# Allegro board 1281021_HW-FMC-XM500_Rev1_0.brd (continued)
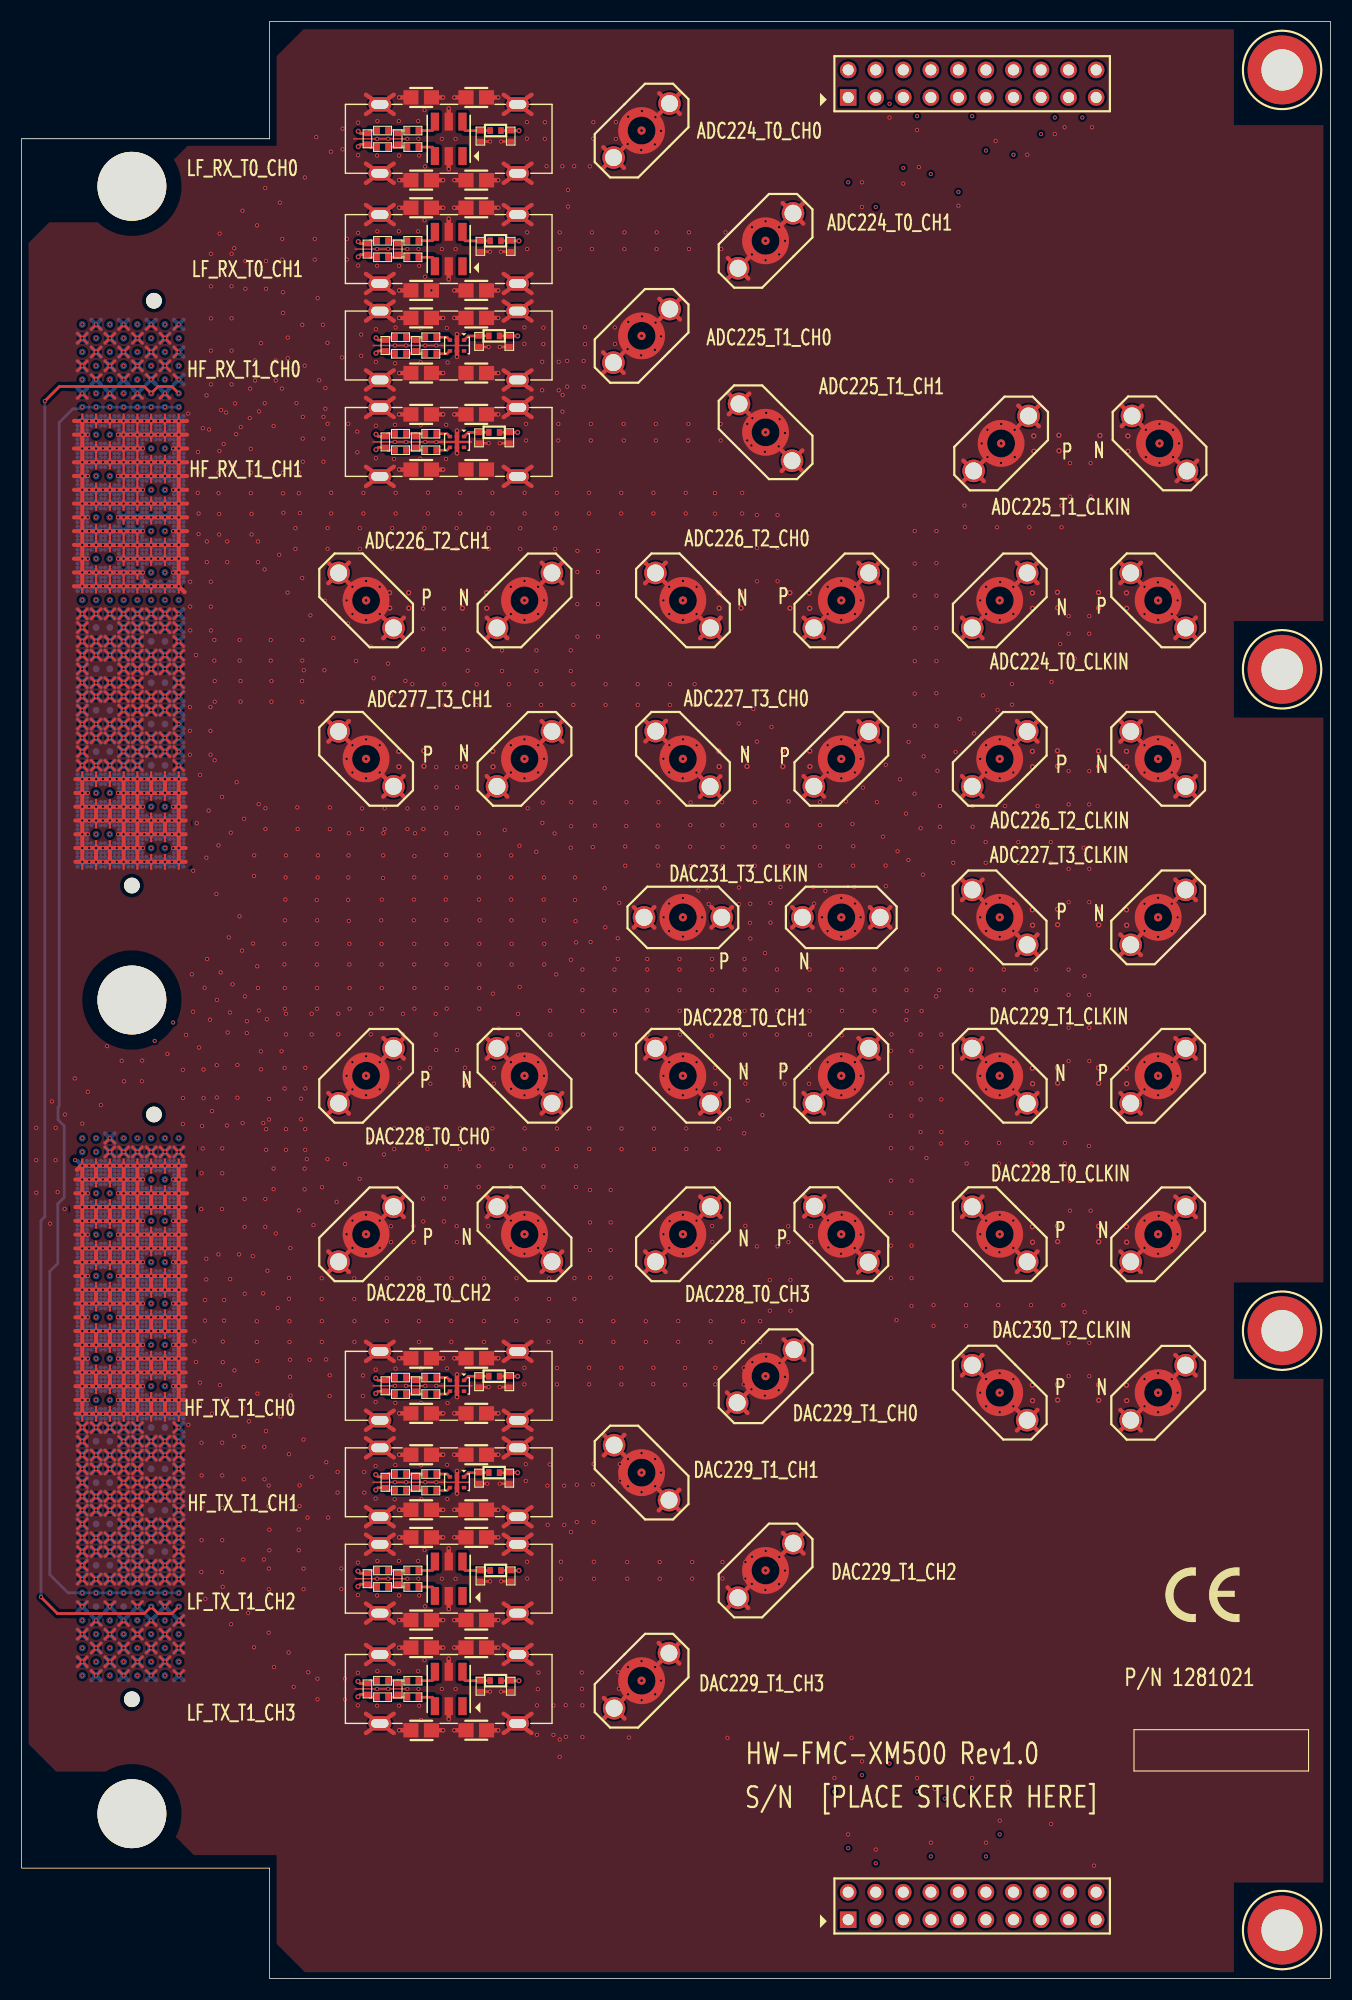
[diagram p0: board, top side]
## Routing (per net, layer and track width the routed paths; a pad name or vN(x,y) marks a point on that pad's centre or on a via; arc(x,y) is an arc through that point) (continued)
  BOTTOM w0.381: v2(13.21,52.04) 13.65,51.6 ; v2(13.21,52.04) 13.65,52.47 ; v2(13.21,52.04) 12.77,52.47 ; v2(13.21,52.04) 12.77,51.6 ; v2(13.21,29.18) 13.65,29.61 ; v2(13.21,29.18) 13.65,28.74 ; v2(13.21,29.18) 12.77,29.61 ; v2(13.21,29.18) 12.77,28.74 ; 31.74,24.39 RFCAGE1.1 ; RFCAGE1.1 34.3,22.6 ; RFCAGE1.1 31.74,22.6 ; RFCAGE1.1 34.3,24.39 ; 6.42,115.17 v2(6.86,115.6) ; v2(6.86,115.6) 7.3,115.17 ; v2(6.86,115.6) 6.42,116.04 ; v2(6.86,115.6) 7.3,116.04 ; J898.3 93.65,52.39 ; J898.3 93.65,50.49 ; J898.3 91.75,52.39 ; J898.3 91.75,50.49 ; v2(5.59,139.73) 6.03,139.3 ; v2(5.59,139.73) 6.03,140.17 ; v2(5.59,139.73) 5.15,139.3 ; v2(5.59,139.73) 5.15,140.17 ; v2(8.13,63.47) 8.57,63.03 ; v2(8.13,63.47) 7.69,63.9 ; v2(8.13,63.47) 8.57,63.9 ; v2(8.13,63.47) 7.69,63.03 ; v2(9.4,54.58) 9.84,54.14 ; v2(9.4,54.58) 8.96,55.01 ; v2(9.4,54.58) 8.96,54.14 ; v2(9.4,54.58) 9.84,55.01 ; v2(10.67,38.07) 11.11,37.63 ; v2(10.67,38.07) 10.23,37.63 ; v2(10.67,38.07) 10.23,38.5 ; v2(10.67,38.07) 11.11,38.5 ; J31.3 88.59,123.52 ; J31.3 86.69,125.42 ; J31.3 88.59,125.42 ; J31.3 86.69,123.52 ; v2(8.13,69.82) 8.57,69.38 ; v2(8.13,69.82) 7.69,70.25 ; v2(8.13,69.82) 7.69,69.38 ; v2(8.13,69.82) 8.57,70.25 ; v2(8.13,119.41) 8.57,119.85 ; v2(8.13,119.41) 7.69,118.98 ; v2(8.13,119.41) 8.57,118.98 ; v2(8.13,119.41) 7.69,119.85 ; 8.96,116.04 v2(9.4,115.6) ; v2(9.4,115.6) 9.84,116.04 ; v2(9.4,115.6) 9.84,115.17 ; v2(9.4,115.6) 8.96,115.17 ; v2(10.67,120.68) 11.11,120.25 ; v2(10.67,120.68) 11.11,121.12 ; v2(10.67,120.68) 10.23,120.25 ; v2(10.67,120.68) 10.23,121.12 ; 11.5,60.49 v2(11.94,60.93) ; v2(11.94,60.93) 11.5,61.36 ; v2(11.94,60.93) 12.38,61.36 ; v2(11.94,60.93) 12.38,60.49 ; 6.42,102.47 v2(6.86,102.9) ; v2(6.86,102.9) 6.42,103.34 ; v2(6.86,102.9) 7.3,103.34 ; v2(6.86,102.9) 7.3,102.47 ; J27.2 49.84,79.7 ; J27.2 49.84,81.6 ; J27.2 47.94,81.6 ; J27.2 47.94,79.7 ; v2(8.13,133.38) 8.57,133.82 ; v2(8.13,133.38) 8.57,132.95 ; v2(8.13,133.38) 7.69,133.82 ; v2(8.13,133.38) 7.69,132.95 ; v2(5.59,67.28) 6.03,67.71 ; v2(5.59,67.28) 5.15,67.71 ; v2(5.59,67.28) 5.15,66.84 ; v2(5.59,67.28) 6.03,66.84 ; 106.36,70.16 J29.3 ; J29.3 108.26,70.16 ; J29.3 108.26,72.06 ; J29.3 106.36,72.06 ; v2(6.86,141) 7.3,141.44 ; v2(6.86,141) 6.42,140.57 ; v2(6.86,141) 6.42,141.44 ; v2(6.86,141) 7.3,140.57 ; 6.42,152.87 v2(6.86,152.43) ; v2(6.86,152.43) 7.3,152 ; v2(6.86,152.43) 6.42,152 ; v2(6.86,152.43) 7.3,152.87 ; 8.96,127.87 v2(9.4,128.3) ; v2(9.4,128.3) 8.96,128.74 ; v2(9.4,128.3) 9.84,128.74 ; v2(9.4,128.3) 9.84,127.87 ; v2(13.21,109.25) 13.65,109.69 ; v2(13.21,109.25) 12.77,108.82 ; v2(13.21,109.25) 12.77,109.69 ; v2(13.21,109.25) 13.65,108.82 ; 7.69,70.65 v2(8.13,71.09) ; v2(8.13,71.09) 7.69,71.52 ; v2(8.13,71.09) 8.57,70.65 ; v2(8.13,71.09) 8.57,71.52 ; 44.44,167.26 RFCAGE8.2 ; RFCAGE8.2 47,167.26 ; RFCAGE8.2 44.44,165.48 ; RFCAGE8.2 47,165.48 ; 14.04,55.01 v2(14.48,54.58) ; v2(14.48,54.58) 14.04,54.14 ; v2(14.48,54.58) 14.92,54.14 ; v2(14.48,54.58) 14.92,55.01 ; 10.23,33.82 v2(10.67,34.26) ; v2(10.67,34.26) 10.23,34.69 ; v2(10.67,34.26) 11.11,33.82 ; v2(10.67,34.26) 11.11,34.69 ; 58.78,173.75 J4.2 ; J4.2 58.78,171.84 ; J4.2 60.68,173.75 ; J4.2 60.68,171.84 ; v2(14.48,129.57) 14.92,130.01 ; v2(14.48,129.57) 14.04,130.01 ; v2(14.48,129.57) 14.92,129.14 ; v2(14.48,129.57) 14.04,129.14 ; v2(9.4,55.85) 9.84,55.41 ; v2(9.4,55.85) 8.96,55.41 ; v2(9.4,55.85) 9.84,56.28 ; v2(9.4,55.85) 8.96,56.28 ; J27.3 44.77,84.77 ; J27.3 42.87,86.67 ; J27.3 42.87,84.77 ; J27.3 44.77,86.67 ; v2(6.86,110.52) 7.3,110.09 ; v2(6.86,110.52) 6.42,110.09 ; v2(6.86,110.52) 6.42,110.96 ; v2(6.86,110.52) 7.3,110.96 ; 11.5,130.41 v2(11.94,130.84) ; v2(11.94,130.84) 12.38,130.41 ; v2(11.94,130.84) 11.5,131.28 ; v2(11.94,130.84) 12.38,131.28 ; J900.2 58.33,98.74 ; J900.2 56.43,96.84 ; J900.2 56.43,98.74 ; J900.2 58.33,96.84 ; 77.15,113.98 J37.2 ; J37.2 79.05,113.98 ; J37.2 79.05,115.88 ; J37.2 77.15,115.88 ; 8.96,105.01 v2(9.4,105.44) ; v2(9.4,105.44) 8.96,105.88 ; v2(9.4,105.44) 9.84,105.88 ; v2(9.4,105.44) 9.84,105.01 ; v2(14.48,138.46) 14.92,138.9 ; v2(14.48,138.46) 14.04,138.9 ; v2(14.48,138.46) 14.04,138.03 ; v2(14.48,138.46) 14.92,138.03 ; J28.2 88.59,72.06 ; J28.2 88.59,70.16 ; J28.2 86.69,70.16 ; J28.2 86.69,72.06 ; v2(5.59,48.23) 6.03,47.79 ; v2(5.59,48.23) 5.15,48.66 ; v2(5.59,48.23) 5.15,47.79 ; v2(5.59,48.23) 6.03,48.66 ; J3.2 72.06,163.63 ; J3.2 70.16,161.73 ; J3.2 70.16,163.63 ; J3.2 72.06,161.73 ; 11.5,141.84 v2(11.94,142.27) ; v2(11.94,142.27) 12.38,141.84 ; v2(11.94,142.27) 12.38,142.71 ; v2(11.94,142.27) 11.5,142.71 ; J24.3 74.03,70.21 ; J24.3 72.13,72.11 ; J24.3 74.03,72.11 ; J24.3 72.13,70.21 ; 6.42,58.82 v2(6.86,58.39) ; v2(6.86,58.39) 7.3,57.95 ; v2(6.86,58.39) 6.42,57.95 ; v2(6.86,58.39) 7.3,58.82 ; v2(10.67,102.9) 11.11,103.34 ; v2(10.67,102.9) 10.23,102.47 ; v2(10.67,102.9) 11.11,102.47 ; v2(10.67,102.9) 10.23,103.34 ; 10.23,133.82 v2(10.67,133.38) ; v2(10.67,133.38) 10.23,132.95 ; v2(10.67,133.38) 11.11,133.82 ; v2(10.67,133.38) 11.11,132.95 ; v2(5.59,68.55) 6.03,68.11 ; v2(5.59,68.55) 5.15,68.11 ; v2(5.59,68.55) 5.15,68.98 ; v2(5.59,68.55) 6.03,68.98 ; v2(10.67,142.27) 11.11,142.71 ; v2(10.67,142.27) 10.23,142.71 ; v2(10.67,142.27) 11.11,141.84 ; v2(10.67,142.27) 10.23,141.84 ; 12.77,52.87 v2(13.21,53.31) ; v2(13.21,53.31) 13.65,53.74 ; v2(13.21,53.31) 12.77,53.74 ; v2(13.21,53.31) 13.65,52.87 ; v2(13.21,36.8) 13.65,36.36 ; v2(13.21,36.8) 12.77,37.23 ; v2(13.21,36.8) 13.65,37.23 ; v2(13.21,36.8) 12.77,36.36 ; 11.5,135.49 v2(11.94,135.92) ; v2(11.94,135.92) 12.38,135.49 ; v2(11.94,135.92) 12.38,136.36 ; v2(11.94,135.92) 11.5,136.36 ; 12.77,125.33 v2(13.21,125.76) ; v2(13.21,125.76) 12.77,126.2 ; v2(13.21,125.76) 13.65,125.33 ; v2(13.21,125.76) 13.65,126.2 ; 7.69,50.33 v2(8.13,50.77) ; v2(8.13,50.77) 7.69,51.2 ; v2(8.13,50.77) 8.57,50.33 ; v2(8.13,50.77) 8.57,51.2 ; 8.96,57.55 v2(9.4,57.12) ; v2(9.4,57.12) 9.84,57.55 ; v2(9.4,57.12) 8.96,56.68 ; v2(9.4,57.12) 9.84,56.68 ; 14.04,41.44 v2(14.48,41.88) ; v2(14.48,41.88) 14.92,41.44 ; v2(14.48,41.88) 14.92,42.31 ; v2(14.48,41.88) 14.04,42.31 ; RFCAGE5.2 47,137.54 ; RFCAGE5.2 44.44,139.32 ; RFCAGE5.2 44.44,137.54 ; RFCAGE5.2 47,139.32 ; J899.2 72.93,98.74 ; J899.2 72.93,96.84 ; J899.2 71.03,96.84 ; J899.2 71.03,98.74 ; v2(5.59,142.27) 6.03,141.84 ; v2(5.59,142.27) 5.15,142.71 ; v2(5.59,142.27) 6.03,142.71 ; v2(5.59,142.27) 5.15,141.84 ; v2(11.94,68.55) 12.38,68.11 ; v2(11.94,68.55) 11.5,68.98 ; v2(11.94,68.55) 11.5,68.11 ; v2(11.94,68.55) 12.38,68.98 ; v2(10.67,59.66) 11.11,59.22 ; v2(10.67,59.66) 10.23,59.22 ; v2(10.67,59.66) 10.23,60.09 ; v2(10.67,59.66) 11.11,60.09 ; v2(10.67,130.84) 11.11,130.41 ; v2(10.67,130.84) 10.23,130.41 ; v2(10.67,130.84) 10.23,131.28 ; v2(10.67,130.84) 11.11,131.28 ; 10.23,37.23 v2(10.67,36.8) ; v2(10.67,36.8) 10.23,36.36 ; v2(10.67,36.8) 11.11,37.23 ; v2(10.67,36.8) 11.11,36.36 ; 8.96,117.31 v2(9.4,116.87) ; v2(9.4,116.87) 8.96,116.44 ; v2(9.4,116.87) 9.84,116.44 ; v2(9.4,116.87) 9.84,117.31 ; v2(13.21,142.27) 13.65,141.84 ; v2(13.21,142.27) 12.77,141.84 ; v2(13.21,142.27) 13.65,142.71 ; v2(13.21,142.27) 12.77,142.71 ; 11.5,106.28 v2(11.94,106.71) ; v2(11.94,106.71) 11.5,107.15 ; v2(11.94,106.71) 12.38,107.15 ; v2(11.94,106.71) 12.38,106.28 ; v2(10.67,106.71) 11.11,107.15 ; v2(10.67,106.71) 10.23,107.15 ; v2(10.67,106.71) 10.23,106.28 ; v2(10.67,106.71) 11.11,106.28 ; v2(9.4,73.63) 9.84,74.06 ; v2(9.4,73.63) 8.96,74.06 ; v2(9.4,73.63) 9.84,73.19 ; v2(9.4,73.63) 8.96,73.19 ; J23.2 49.84,65.1 ; J23.2 47.94,65.1 ; J23.2 47.94,67 ; J23.2 49.84,67 ; v2(9.4,69.82) 9.84,69.38 ; v2(9.4,69.82) 9.84,70.25 ; v2(9.4,69.82) 8.96,70.25 ; v2(9.4,69.82) 8.96,69.38 ; v2(8.13,104.17) 8.57,104.61 ; v2(8.13,104.17) 8.57,103.74 ; v2(8.13,104.17) 7.69,104.61 ; v2(8.13,104.17) 7.69,103.74 ; 6.42,69.38 v2(6.86,69.82) ; v2(6.86,69.82) 6.42,70.25 ; v2(6.86,69.82) 7.3,70.25 ; v2(6.86,69.82) 7.3,69.38 ; v2(10.67,67.28) 11.11,67.71 ; v2(10.67,67.28) 10.23,67.71 ; v2(10.67,67.28) 11.11,66.84 ; v2(10.67,67.28) 10.23,66.84 ; J891.3 88.59,101.27 ; J891.3 88.59,99.37 ; J891.3 86.69,101.27 ; J891.3 86.69,99.37 ; 11.5,76.6 v2(11.94,76.17) ; v2(11.94,76.17) 12.38,75.73 ; v2(11.94,76.17) 11.5,75.73 ; v2(11.94,76.17) 12.38,76.6 ; v2(6.86,119.41) 7.3,119.85 ; v2(6.86,119.41) 6.42,119.85 ; v2(6.86,119.41) 6.42,118.98 ; v2(6.86,119.41) 7.3,118.98 ; 6.42,66.44 v2(6.86,66.01) ; v2(6.86,66.01) 7.3,65.57 ; v2(6.86,66.01) 6.42,65.57 ; v2(6.86,66.01) 7.3,66.44 ; 14.04,30.01 v2(14.48,30.45) ; v2(14.48,30.45) 14.04,30.88 ; v2(14.48,30.45) 14.92,30.88 ; v2(14.48,30.45) 14.92,30.01 ; 106.36,86.67 J896.3 ; J896.3 106.36,84.77 ; J896.3 108.26,86.67 ; J896.3 108.26,84.77 ; 6.42,146.92 v2(6.86,147.35) ; v2(6.86,147.35) 7.3,147.79 ; v2(6.86,147.35) 7.3,146.92 ; v2(6.86,147.35) 6.42,147.79 ; 14.04,116.44 v2(14.48,116.87) ; v2(14.48,116.87) 14.04,117.31 ; v2(14.48,116.87) 14.92,117.31 ; v2(14.48,116.87) 14.92,116.44 ; 12.77,49.93 v2(13.21,49.5) ; v2(13.21,49.5) 12.77,49.06 ; v2(13.21,49.5) 13.65,49.93 ; v2(13.21,49.5) 13.65,49.06 ; v2(14.48,113.06) 14.92,112.63 ; v2(14.48,113.06) 14.04,112.63 ; v2(14.48,113.06) 14.92,113.5 ; v2(14.48,113.06) 14.04,113.5 ; v2(5.59,148.62) 6.03,148.19 ; v2(5.59,148.62) 5.15,149.06 ; v2(5.59,148.62) 6.03,149.06 ; v2(5.59,148.62) 5.15,148.19 ; 10.23,128.74 v2(10.67,128.3) ; v2(10.67,128.3) 11.11,127.87 ; v2(10.67,128.3) 11.11,128.74 ; v2(10.67,128.3) 10.23,127.87 ; v2(14.48,63.47) 14.92,63.03 ; v2(14.48,63.47) 14.04,63.03 ; v2(14.48,63.47) 14.04,63.9 ; v2(14.48,63.47) 14.92,63.9 ; J29.2 103.19,65.1 ; J29.2 101.29,65.1 ; J29.2 101.29,67 ; J29.2 103.19,67 ; v2(10.67,115.6) 11.11,115.17 ; v2(10.67,115.6) 10.23,115.17 ; v2(10.67,115.6) 11.11,116.04 ; v2(10.67,115.6) 10.23,116.04 ; 58.73,45.03 J8.2 ; J8.2 60.63,43.13 ; J8.2 60.63,45.03 ; J8.2 58.73,43.13 ; v2(10.67,118.14) 11.11,117.71 ; v2(10.67,118.14) 11.11,118.58 ; v2(10.67,118.14) 10.23,117.71 ; v2(10.67,118.14) 10.23,118.58 ; 91.88,144.95 J889.3 ; J889.3 91.88,143.05 ; J889.3 93.78,143.05 ; J889.3 93.78,144.95 ; v2(5.59,133.38) 6.03,132.95 ; v2(5.59,133.38) 5.15,132.95 ; v2(5.59,133.38) 6.03,133.82 ; v2(5.59,133.38) 5.15,133.82 ; J897.3 108.26,57.46 ; J897.3 106.36,55.56 ; J897.3 106.36,57.46 ; J897.3 108.26,55.56 ; 8.96,138.03 v2(9.4,138.46) ; v2(9.4,138.46) 8.96,138.9 ; v2(9.4,138.46) 9.84,138.03 ; v2(9.4,138.46) 9.84,138.9 ; 44.44,148.21 RFCAGE6.2 ; RFCAGE6.2 47,148.21 ; RFCAGE6.2 44.44,146.43 ; RFCAGE6.2 47,146.43 ; v2(6.86,54.58) 7.3,54.14 ; v2(6.86,54.58) 7.3,55.01 ; v2(6.86,54.58) 6.42,55.01 ; v2(6.86,54.58) 6.42,54.14 ; 8.96,43.98 v2(9.4,44.42) ; v2(9.4,44.42) 9.84,44.85 ; v2(9.4,44.42) 8.96,44.85 ; v2(9.4,44.42) 9.84,43.98 ; 14.04,41.04 v2(14.48,40.61) ; v2(14.48,40.61) 14.92,40.17 ; v2(14.48,40.61) 14.04,40.17 ; v2(14.48,40.61) 14.92,41.04 ; v2(5.59,110.52) 6.03,110.09 ; v2(5.59,110.52) 6.03,110.96 ; v2(5.59,110.52) 5.15,110.09 ; v2(5.59,110.52) 5.15,110.96 ; v2(9.4,53.31) 9.84,52.87 ; v2(9.4,53.31) 8.96,52.87 ; v2(9.4,53.31) 9.84,53.74 ; v2(9.4,53.31) 8.96,53.74 ; v2(10.67,54.58) 11.11,55.01 ; v2(10.67,54.58) 10.23,54.14 ; v2(10.67,54.58) 11.11,54.14 ; v2(10.67,54.58) 10.23,55.01 ; 62.54,72.06 J25.2 ; J25.2 64.44,72.06 ; J25.2 62.54,70.16 ; J25.2 64.44,70.16 ; 12.77,56.28 v2(13.21,55.85) ; v2(13.21,55.85) 13.65,55.41 ; v2(13.21,55.85) 13.65,56.28 ; v2(13.21,55.85) 12.77,55.41 ; v2(14.48,128.3) 14.92,128.74 ; v2(14.48,128.3) 14.04,127.87 ; v2(14.48,128.3) 14.04,128.74 ; v2(14.48,128.3) 14.92,127.87 ; 12.77,110.09 v2(13.21,110.52) ; v2(13.21,110.52) 13.65,110.96 ; v2(13.21,110.52) 12.77,110.96 ; v2(13.21,110.52) 13.65,110.09 ; v2(8.13,148.62) 8.57,148.19 ; v2(8.13,148.62) 8.57,149.06 ; v2(8.13,148.62) 7.69,149.06 ; v2(8.13,148.62) 7.69,148.19 ; 14.04,107.15 v2(14.48,106.71) ; v2(14.48,106.71) 14.92,107.15 ; v2(14.48,106.71) 14.92,106.28 ; v2(14.48,106.71) 14.04,106.28 ; v2(8.13,139.73) 8.57,139.3 ; v2(8.13,139.73) 7.69,140.17 ; v2(8.13,139.73) 7.69,139.3 ; v2(8.13,139.73) 8.57,140.17 ; RFCAGE7.4 34.3,161.67 ; RFCAGE7.4 31.74,163.45 ; RFCAGE7.4 31.74,161.67 ; RFCAGE7.4 34.3,163.45 ; v2(10.67,39.34) 11.11,38.9 ; v2(10.67,39.34) 10.23,38.9 ; v2(10.67,39.34) 11.11,39.77 ; v2(10.67,39.34) 10.23,39.77 ; J898.2 88.59,55.56 ; J898.2 86.69,57.46 ; J898.2 88.59,57.46 ; J898.2 86.69,55.56 ; 6.42,143.11 v2(6.86,143.54) ; v2(6.86,143.54) 6.42,143.98 ; v2(6.86,143.54) 7.3,143.98 ; v2(6.86,143.54) 7.3,143.11 ; 10.23,76.6 v2(10.67,76.17) ; v2(10.67,76.17) 11.11,76.6 ; v2(10.67,76.17) 10.23,75.73 ; v2(10.67,76.17) 11.11,75.73 ; 5.15,38.5 v2(5.59,38.07) ; v2(5.59,38.07) 6.03,38.5 ; v2(5.59,38.07) 5.15,37.63 ; v2(5.59,38.07) 6.03,37.63 ; 42.87,72.06 J23.3 ; J23.3 44.77,70.16 ; J23.3 42.87,70.16 ; J23.3 44.77,72.06 ; 12.77,140.17 v2(13.21,139.73) ; v2(13.21,139.73) 12.77,139.3 ; v2(13.21,139.73) 13.65,140.17 ; v2(13.21,139.73) 13.65,139.3 ; v2(9.4,76.17) 9.84,75.73 ; v2(9.4,76.17) 8.96,76.6 ; v2(9.4,76.17) 8.96,75.73 ; v2(9.4,76.17) 9.84,76.6 ; v2(11.94,41.88) 12.38,41.44 ; v2(11.94,41.88) 11.5,41.44 ; v2(11.94,41.88) 12.38,42.31 ; v2(11.94,41.88) 11.5,42.31 ; 5.15,50.33 v2(5.59,50.77) ; v2(5.59,50.77) 5.15,51.2 ; v2(5.59,50.77) 6.03,51.2 ; v2(5.59,50.77) 6.03,50.33 ; v2(5.59,123.22) 6.03,123.66 ; v2(5.59,123.22) 6.03,122.79 ; v2(5.59,123.22) 5.15,123.66 ; v2(5.59,123.22) 5.15,122.79 ; 10.23,103.74 v2(10.67,104.17) ; v2(10.67,104.17) 10.23,104.61 ; v2(10.67,104.17) 11.11,103.74 ; v2(10.67,104.17) 11.11,104.61 ; 8.96,33.42 v2(9.4,32.99) ; v2(9.4,32.99) 9.84,32.55 ; v2(9.4,32.99) 8.96,32.55 ; v2(9.4,32.99) 9.84,33.42 ; 12.77,75.73 v2(13.21,76.17) ; v2(13.21,76.17) 13.65,76.6 ; v2(13.21,76.17) 13.65,75.73 ; v2(13.21,76.17) 12.77,76.6 ; 5.15,33.82 v2(5.59,34.26) ; v2(5.59,34.26) 6.03,33.82 ; v2(5.59,34.26) 6.03,34.69 ; v2(5.59,34.26) 5.15,34.69 ; 91.75,128.58 J31.2 ; J31.2 93.65,130.48 ; J31.2 91.75,130.48 ; J31.2 93.65,128.58 ; 10.23,135.09 v2(10.67,134.65) ; v2(10.67,134.65) 11.11,135.09 ; v2(10.67,134.65) 11.11,134.22 ; v2(10.67,134.65) 10.23,134.22 ; v2(9.4,46.96) 9.84,47.39 ; v2(9.4,46.96) 9.84,46.52 ; v2(9.4,46.96) 8.96,47.39 ; v2(9.4,46.96) 8.96,46.52 ; v2(9.4,121.95) 9.84,121.52 ; v2(9.4,121.95) 9.84,122.39 ; v2(9.4,121.95) 8.96,122.39 ; v2(9.4,121.95) 8.96,121.52 ; v2(9.4,130.84) 9.84,131.28 ; v2(9.4,130.84) 9.84,130.41 ; v2(9.4,130.84) 8.96,130.41 ; v2(9.4,130.84) 8.96,131.28 ; 5.15,32.15 v2(5.59,31.72) ; v2(5.59,31.72) 6.03,31.28 ; v2(5.59,31.72) 6.03,32.15 ; v2(5.59,31.72) 5.15,31.28 ; 10.23,145.65 v2(10.67,146.08) ; v2(10.67,146.08) 10.23,146.52 ; v2(10.67,146.08) 11.11,145.65 ; v2(10.67,146.08) 11.11,146.52 ; J896.2 103.19,79.7 ; J896.2 103.19,81.6 ; J896.2 101.29,79.7 ; J896.2 101.29,81.6 ; v2(5.59,64.74) 6.03,65.17 ; v2(5.59,64.74) 6.03,64.3 ; v2(5.59,64.74) 5.15,65.17 ; v2(5.59,64.74) 5.15,64.3 ; 5.15,58.82 v2(5.59,58.39) ; v2(5.59,58.39) 6.03,58.82 ; v2(5.59,58.39) 6.03,57.95 ; v2(5.59,58.39) 5.15,57.95 ; 33.33,72.06 J22.3 ; J22.3 33.33,70.16 ; J22.3 35.23,70.16 ; J22.3 35.23,72.06 ; v2(5.59,106.71) 6.03,107.15 ; v2(5.59,106.71) 5.15,107.15 ; v2(5.59,106.71) 6.03,106.28 ; v2(5.59,106.71) 5.15,106.28 ; v2(8.13,125.76) 8.57,125.33 ; v2(8.13,125.76) 8.57,126.2 ; v2(8.13,125.76) 7.69,126.2 ; v2(8.13,125.76) 7.69,125.33 ; 12.77,128.74 v2(13.21,128.3) ; v2(13.21,128.3) 13.65,127.87 ; v2(13.21,128.3) 12.77,127.87 ; v2(13.21,128.3) 13.65,128.74 ; 14.04,70.65 v2(14.48,71.09) ; v2(14.48,71.09) 14.92,70.65 ; v2(14.48,71.09) 14.92,71.52 ; v2(14.48,71.09) 14.04,71.52 ; 7.69,67.71 v2(8.13,67.28) ; v2(8.13,67.28) 8.57,67.71 ; v2(8.13,67.28) 8.57,66.84 ; v2(8.13,67.28) 7.69,66.84 ; v2(6.86,59.66) 7.3,59.22 ; v2(6.86,59.66) 7.3,60.09 ; v2(6.86,59.66) 6.42,59.22 ; v2(6.86,59.66) 6.42,60.09 ; 10.23,75.33 v2(10.67,74.9) ; v2(10.67,74.9) 10.23,74.46 ; v2(10.67,74.9) 11.11,74.46 ; v2(10.67,74.9) 11.11,75.33 ; 12.77,150.73 v2(13.21,151.16) ; v2(13.21,151.16) 13.65,150.73 ; v2(13.21,151.16) 13.65,151.6 ; v2(13.21,151.16) 12.77,151.6 ; 12.77,57.55 v2(13.21,57.12) ; v2(13.21,57.12) 13.65,57.55 ; v2(13.21,57.12) 12.77,56.68 ; v2(13.21,57.12) 13.65,56.68 ; v2(9.4,36.8) 9.84,36.36 ; v2(9.4,36.8) 8.96,37.23 ; v2(9.4,36.8) 9.84,37.23 ; v2(9.4,36.8) 8.96,36.36 ; 11.5,28.34 v2(11.94,27.91) ; v2(11.94,27.91) 12.38,27.47 ; v2(11.94,27.91) 11.5,27.47 ; v2(11.94,27.91) 12.38,28.34 ; v2(14.48,133.38) 14.92,133.82 ; v2(14.48,133.38) 14.92,132.95 ; v2(14.48,133.38) 14.04,133.82 ; v2(14.48,133.38) 14.04,132.95 ; v2(9.4,74.9) 9.84,74.46 ; v2(9.4,74.9) 8.96,74.46 ; v2(9.4,74.9) 9.84,75.33 ; v2(9.4,74.9) 8.96,75.33 ; v2(10.67,141) 11.11,140.57 ; v2(10.67,141) 10.23,140.57 ; v2(10.67,141) 10.23,141.44 ; v2(10.67,141) 11.11,141.44 ; v2(10.67,123.22) 11.11,122.79 ; v2(10.67,123.22) 10.23,123.66 ; v2(10.67,123.22) 10.23,122.79 ; v2(10.67,123.22) 11.11,123.66 ; 14.04,122.79 v2(14.48,123.22) ; v2(14.48,123.22) 14.92,122.79 ; v2(14.48,123.22) 14.92,123.66 ; v2(14.48,123.22) 14.04,123.66 ; 7.69,143.98 v2(8.13,143.54) ; v2(8.13,143.54) 8.57,143.11 ; v2(8.13,143.54) 7.69,143.11 ; v2(8.13,143.54) 8.57,143.98 ; J30.2 103.19,128.58 ; J30.2 101.29,130.48 ; J30.2 101.29,128.58 ; J30.2 103.19,130.48 ; 10.23,42.31 v2(10.67,41.88) ; v2(10.67,41.88) 11.11,41.44 ; v2(10.67,41.88) 10.23,41.44 ; v2(10.67,41.88) 11.11,42.31 ; v2(14.48,147.35) 14.92,146.92 ; v2(14.48,147.35) 14.92,147.79 ; v2(14.48,147.35) 14.04,147.79 ; v2(14.48,147.35) 14.04,146.92 ; v2(10.67,121.95) 11.11,122.39 ; v2(10.67,121.95) 10.23,121.52 ; v2(10.67,121.95) 10.23,122.39 ; v2(10.67,121.95) 11.11,121.52 ; 44.44,58.68 RFCAGE4.3 ; RFCAGE4.3 47,58.68 ; RFCAGE4.3 44.44,56.89 ; RFCAGE4.3 47,56.89 ; v2(6.86,111.79) 7.3,111.36 ; v2(6.86,111.79) 6.42,112.23 ; v2(6.86,111.79) 6.42,111.36 ; v2(6.86,111.79) 7.3,112.23 ; 31.74,167.26 RFCAGE8.1 ; RFCAGE8.1 34.3,167.26 ; RFCAGE8.1 31.74,165.48 ; RFCAGE8.1 34.3,165.48 ; 10.23,71.52 v2(10.67,71.09) ; v2(10.67,71.09) 11.11,71.52 ; v2(10.67,71.09) 11.11,70.65 ; v2(10.67,71.09) 10.23,70.65 ; 72.08,123.52 J33.2 ; J33.2 73.98,125.42 ; J33.2 72.08,125.42 ; J33.2 73.98,123.52 ; 7.69,117.71 v2(8.13,118.14) ; v2(8.13,118.14) 8.57,117.71 ; v2(8.13,118.14) 8.57,118.58 ; v2(8.13,118.14) 7.69,118.58 ; v2(9.4,60.93) 9.84,60.49 ; v2(9.4,60.93) 9.84,61.36 ; v2(9.4,60.93) 8.96,60.49 ; v2(9.4,60.93) 8.96,61.36 ; 10.23,47.79 v2(10.67,48.23) ; v2(10.67,48.23) 10.23,48.66 ; v2(10.67,48.23) 11.11,48.66 ; v2(10.67,48.23) 11.11,47.79 ; 10.23,116.44 v2(10.67,116.87) ; v2(10.67,116.87) 11.11,116.44 ; v2(10.67,116.87) 10.23,117.31 ; v2(10.67,116.87) 11.11,117.31 ; 11.5,112.63 v2(11.94,113.06) ; v2(11.94,113.06) 12.38,112.63 ; v2(11.94,113.06) 12.38,113.5 ; v2(11.94,113.06) 11.5,113.5 ; 14.04,124.06 v2(14.48,124.49) ; v2(14.48,124.49) 14.92,124.93 ; v2(14.48,124.49) 14.92,124.06 ; v2(14.48,124.49) 14.04,124.93 ; J8.3 55.57,50.09 ; J8.3 53.67,48.19 ; J8.3 55.57,48.19 ; J8.3 53.67,50.09 ; v2(14.48,135.92) 14.92,136.36 ; v2(14.48,135.92) 14.92,135.49 ; v2(14.48,135.92) 14.04,135.49 ; v2(14.48,135.92) 14.04,136.36 ; 11.5,36.36 v2(11.94,36.8) ; v2(11.94,36.8) 12.38,36.36 ; v2(11.94,36.8) 11.5,37.23 ; v2(11.94,36.8) 12.38,37.23 ; RFCAGE8.4 34.3,173.61 ; RFCAGE8.4 31.74,171.83 ; RFCAGE8.4 34.3,171.83 ; RFCAGE8.4 31.74,173.61 ; 11.5,118.58 v2(11.94,118.14) ; v2(11.94,118.14) 11.5,117.71 ; v2(11.94,118.14) 12.38,117.71 ; v2(11.94,118.14) 12.38,118.58 ; 5.15,72.79 v2(5.59,72.36) ; v2(5.59,72.36) 6.03,72.79 ; v2(5.59,72.36) 6.03,71.92 ; v2(5.59,72.36) 5.15,71.92 ; v2(6.86,118.14) 7.3,117.71 ; v2(6.86,118.14) 6.42,117.71 ; v2(6.86,118.14) 7.3,118.58 ; v2(6.86,118.14) 6.42,118.58 ; v2(14.48,121.95) 14.92,121.52 ; v2(14.48,121.95) 14.04,122.39 ; v2(14.48,121.95) 14.04,121.52 ; v2(14.48,121.95) 14.92,122.39 ; v2(5.59,118.14) 6.03,117.71 ; v2(5.59,118.14) 5.15,118.58 ; v2(5.59,118.14) 6.03,118.58 ; v2(5.59,118.14) 5.15,117.71 ; v2(11.94,40.61) 12.38,41.04 ; v2(11.94,40.61) 11.5,41.04 ; v2(11.94,40.61) 12.38,40.17 ; v2(11.94,40.61) 11.5,40.17 ; v2(14.48,64.74) 14.92,64.3 ; v2(14.48,64.74) 14.04,65.17 ; v2(14.48,64.74) 14.92,65.17 ; v2(14.48,64.74) 14.04,64.3 ; 5.15,151.6 v2(5.59,151.16) ; v2(5.59,151.16) 5.15,150.73 ; v2(5.59,151.16) 6.03,151.6 ; v2(5.59,151.16) 6.03,150.73 ; J32.2 64.44,125.42 ; J32.2 62.54,123.52 ; J32.2 62.54,125.42 ; J32.2 64.44,123.52 ; v2(10.67,46.96) 11.11,47.39 